# Altium PCB 10515.0462_全联供主板_V1.0.PcbDoc (part 4 of 5)
Units mm, origin at the board's own origin, x right, y up, seen from the top; angles counter-clockwise.
Board outline 141 x 198 mm, 2 copper layers (Top Layer, Bottom Layer); 179 components, 149 nets, 591 pads, 450 vias.
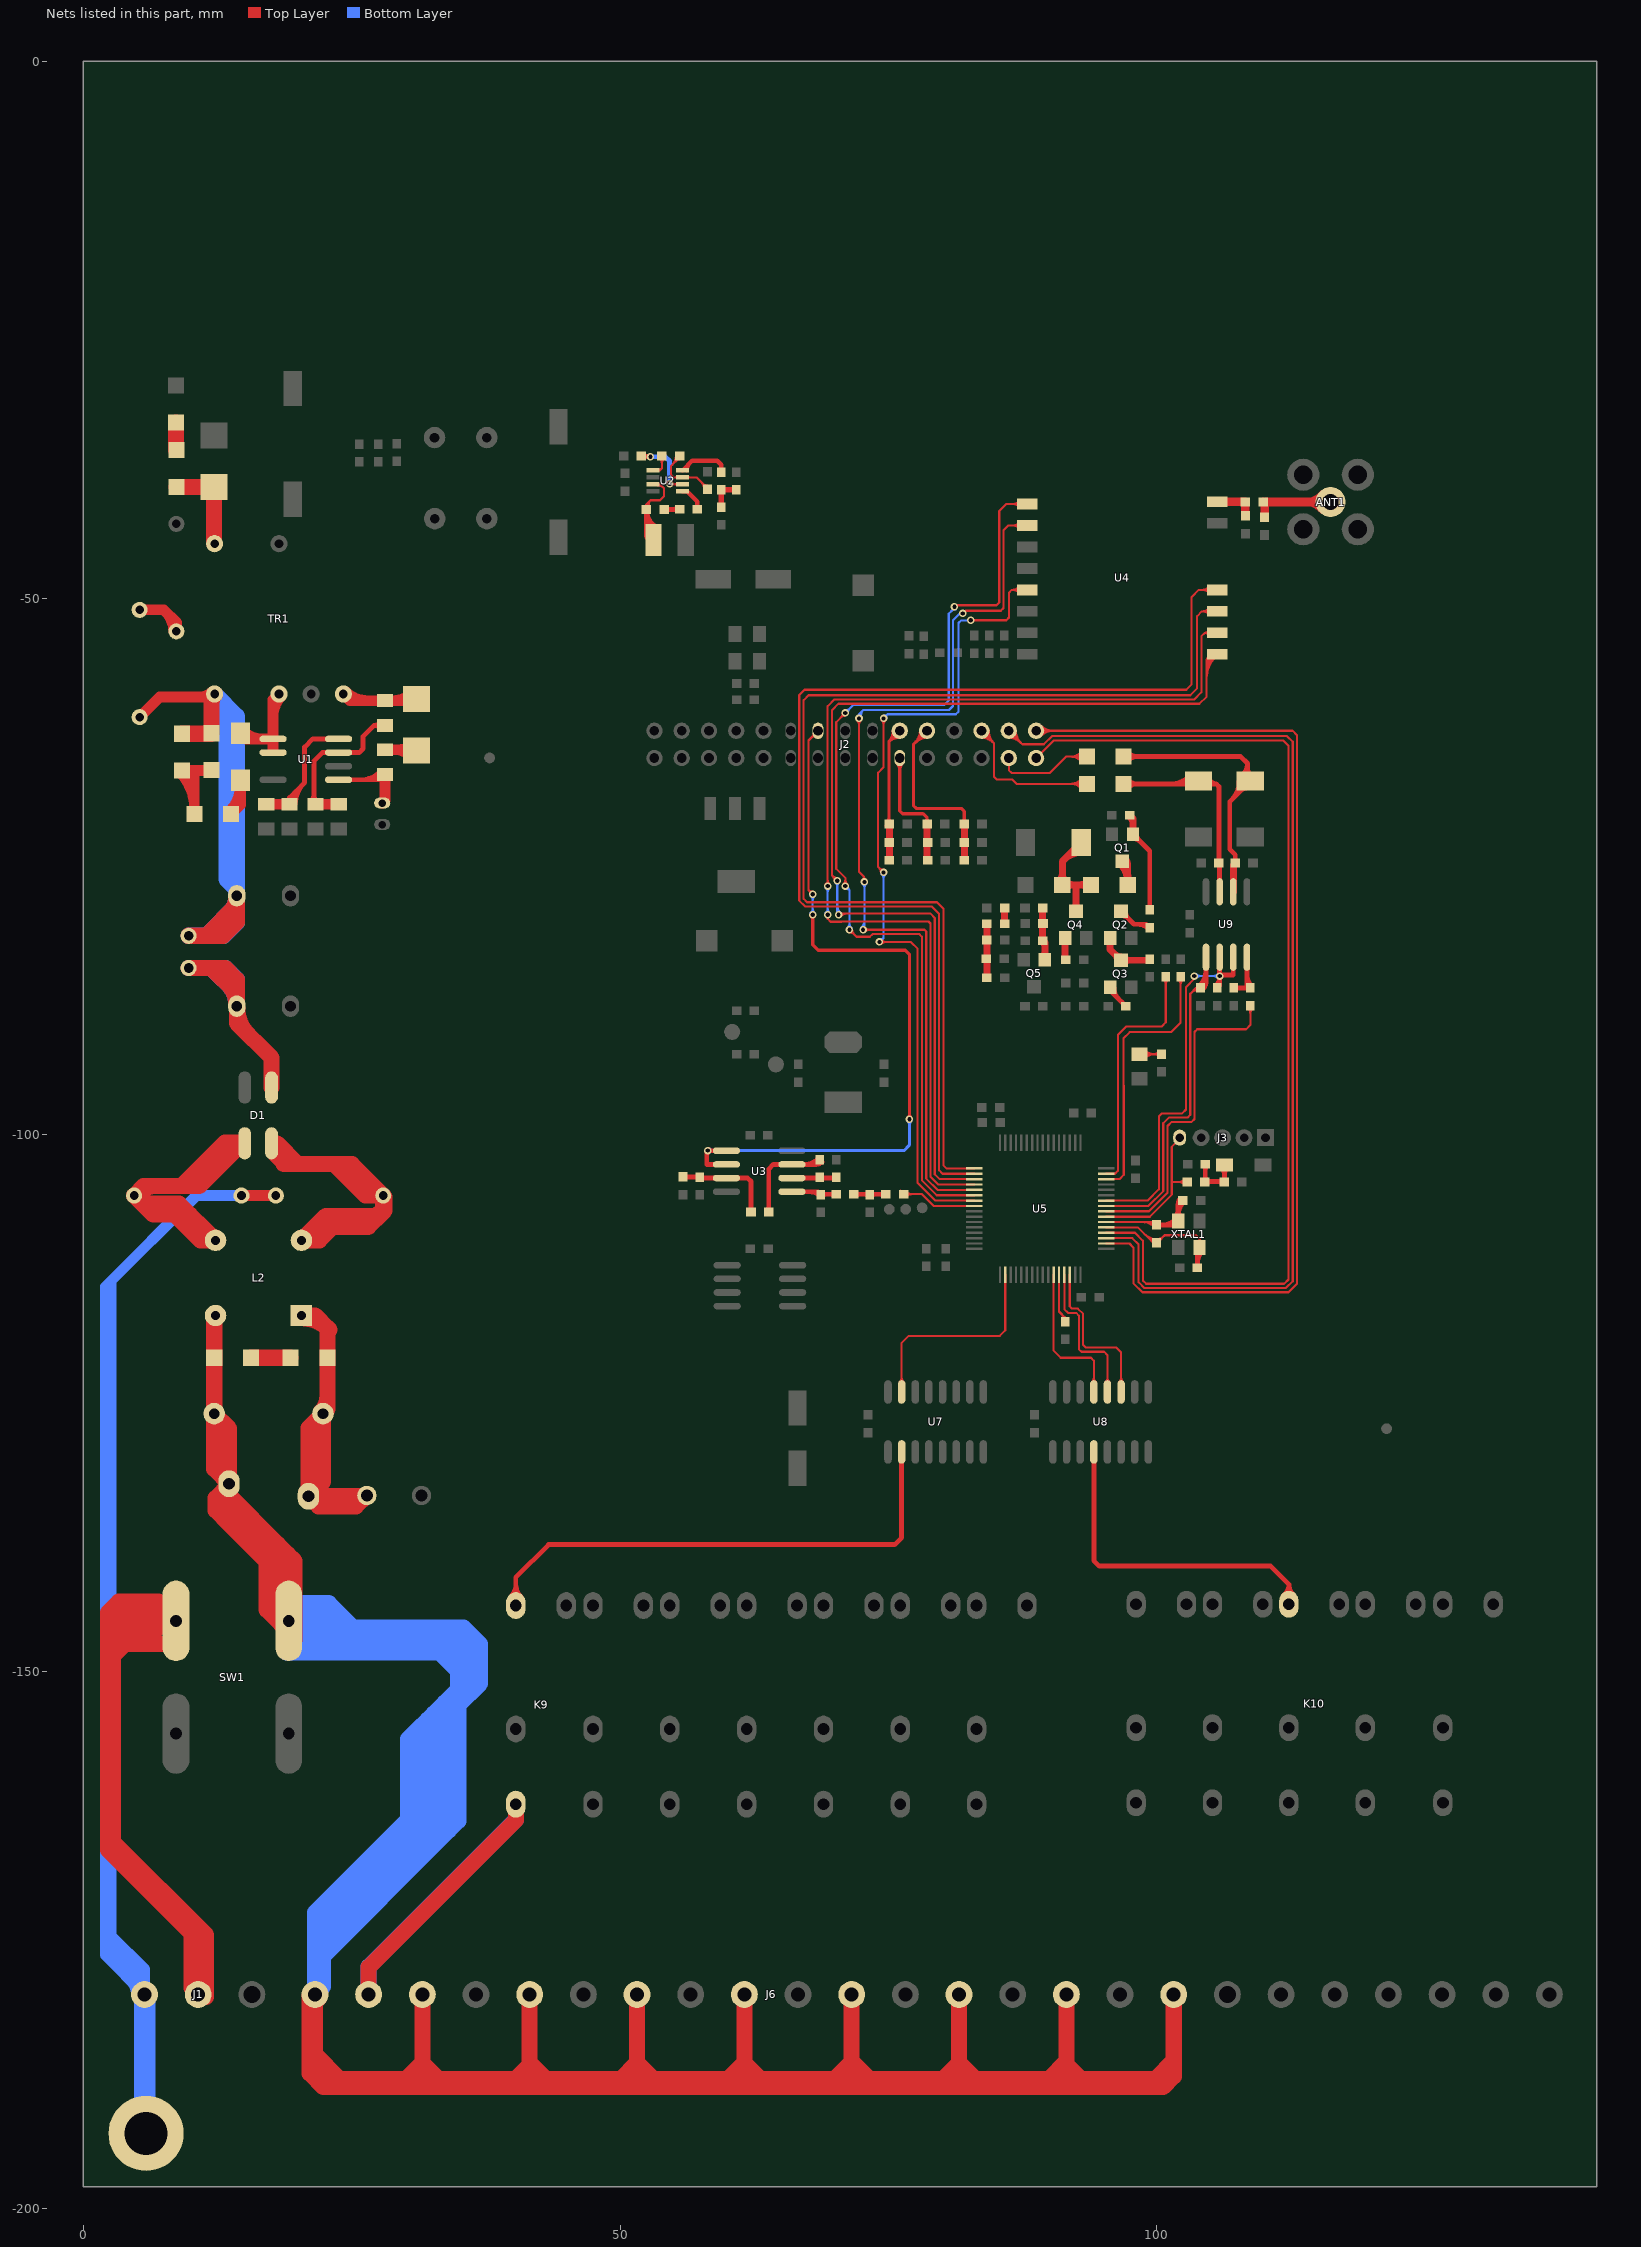
[diagram p4: the nets of this part, all layers, seen from the top]

## Via types
v1: diameter 0.7, hole 0.4, Top Layer to Bottom Layer, tented both sides, 450 vias

## Nets (pads, with @x,y where several pads share a name; then routed paths per layer and width w, separated by ;. In a path a pad name is that pad's centre, name@x,y a point inside that pad or via, vN(x,y) a via of type N, cw(c..) or ccw(c..) an arc to the next point about the centre after c; other vN are vias at no path point) (continued)
N_NINE: CX1.2 J6.2 J6.4 J6.6 J6.8 J6.10 J6.12 J6.14 J6.16 J6.18 L2.4 R2.1 RY1.1 SW1.2 | length 643
  Top Layer w1.5: L2.4@12.192,-116.968 R2.1@12.192,-120.777 CX1.2@12.192,-125.984 ; 12.718,-131.659 ccw(c13.572,-130.805) RY1.1@13.572,-132.012 ; 18.12,-140.802 13.572,-136.254 ; 18.12,-139.659 17.081,-138.62 ; SW1.2@18.394,-145.563 17.081,-144.25 17.081,-141.351 ; 21.082,-182.511 cw(c23.996,-182.511) J6.18@21.935,-180.451 ; 21.582,-187.929 21.582,-186.563 ; 29.591,-188.427 30.046,-187.971 ; 31.582,-187.769 31.582,-186.436 ; J6.16@31.582,-180.097 31.582,-186.436 ; 41.582,-187.698 41.582,-186.649 ; J6.14@41.582,-180.097 41.582,-186.436 ; 51.582,-187.731 51.582,-186.436 ; J6.12@51.582,-180.097 51.582,-186.436 ; 53.721,-188.575 53.117,-187.971 ; 61.582,-187.891 61.582,-186.436 ; J6.10@61.582,-180.097 61.582,-186.436 ; 71.582,-187.891 71.582,-186.367 ; J6.8@71.582,-180.097 71.582,-186.309 ; 79.375,-188.643 80.046,-187.971 ; 81.582,-187.957 81.582,-186.436 ; J6.6@81.582,-180.097 81.582,-186.436 ; 83.693,-188.547 83.117,-187.971 ; 91.582,-187.825 91.582,-186.578 ; J6.4@91.582,-180.097 91.582,-186.309 ; J6.2@101.582,-180.097 101.582,-186.245 ; CX1.2@12.192,-125.984 13.572,-127.364 RY1.1@13.572,-132.512 ; CX1.2@12.192,-125.984 12.192,-131.133 RY1.1@13.572,-132.512 ; 13.572,-136.254 13.572,-135.111 ; 13.572,-136.254 12.319,-135.001 12.319,-133.858 13.572,-132.605 RY1.1@13.572,-132.512 ; 13.572,-135.111 RY1.1@13.572,-132.512 ; 13.572,-135.111 17.081,-138.62 ; RY1.1@13.572,-132.512 13.572,-133.587 18.12,-138.135 ; 17.081,-141.351 17.081,-138.62 ; 17.081,-141.351 17.081,-142.558 SW1.2@18.12,-143.596 ; SW1.2@18.12,-145.288 SW1.2@18.12,-143.596 ; SW1.2@18.12,-145.288 18.12,-138.135 ; SW1.2@18.12,-145.288 19.685,-143.723 SW1.2@19.685,-142.748 ; SW1.2@18.12,-145.288 19.558,-146.726 19.558,-147.193 19.685,-147.066 SW1.2@19.685,-142.748 ; SW1.2@18.12,-143.596 19.05,-142.666 19.05,-139.065 ; 18.12,-138.135 19.05,-139.065 ; 19.05,-139.065 19.685,-139.7 SW1.2@19.685,-142.748 ; 21.582,-186.563 21.582,-185.674 ; 21.582,-186.563 23.741,-188.722 ; 21.582,-185.674 23.879,-187.971 30.046,-187.971 ; 21.582,-185.674 J6.18@21.582,-180.097 21.582,-179.713 21.082,-180.213 21.082,-187.452 22.352,-188.722 23.741,-188.722 ; 23.741,-188.722 33.868,-188.722 ; 30.046,-187.971 33.117,-187.971 ; 30.046,-187.971 31.582,-186.436 ; 31.582,-186.436 33.117,-187.971 ; 33.117,-187.971 33.868,-188.722 ; 33.117,-187.971 40.259,-187.971 ; 33.868,-188.722 49.296,-188.722 ; 40.259,-187.971 43.117,-187.971 ; 40.259,-187.971 41.582,-186.649 ; 41.582,-186.649 41.582,-186.436 ; 41.582,-186.436 43.117,-187.971 ; 43.117,-187.971 50.046,-187.971 ; 49.296,-188.722 50.046,-187.971 ; 49.296,-188.722 89.169,-188.722 ; 50.046,-187.971 51.582,-186.436 ; 50.046,-187.971 53.117,-187.971 ; 51.582,-186.436 53.117,-187.971 ; 53.117,-187.971 60.046,-187.971 ; 60.046,-187.971 61.582,-186.436 ; 60.046,-187.971 63.117,-187.971 ; 61.582,-186.436 63.117,-187.971 ; 63.117,-187.971 69.977,-187.971 ; 69.977,-187.971 71.582,-186.367 ; 69.977,-187.971 73.244,-187.971 ; 71.582,-186.367 71.582,-186.309 ; 71.582,-186.309 73.244,-187.971 ; 73.244,-187.971 80.046,-187.971 ; 80.046,-187.971 81.582,-186.436 ; 80.046,-187.971 83.117,-187.971 ; 81.582,-186.436 83.117,-187.971 ; 83.117,-187.971 89.919,-187.971 ; 89.169,-188.722 89.919,-187.971 ; 89.169,-188.722 93.726,-188.722 ; 89.919,-187.971 91.582,-186.309 ; 89.919,-187.971 92.975,-187.971 ; 91.582,-186.578 92.975,-187.971 ; 91.582,-186.578 91.582,-186.309 ; 92.975,-187.971 93.726,-188.722 ; 92.975,-187.971 99.856,-187.971 101.582,-186.245 ; 93.726,-188.722 100.584,-188.722 101.582,-187.724 101.582,-186.245
  Bottom Layer w1.5: SW1.2@18.755,-145.288 20.533,-147.066 ; SW1.2@18.796,-143.637 22.86,-143.637 24.003,-144.78 ; SW1.2@18.882,-145.288 SW1.2@19.898,-146.304 ; SW1.2@18.882,-145.034 23.368,-145.034 ; SW1.2@18.923,-148.209 24.511,-148.209 ; SW1.2@19.136,-146.304 22.606,-146.304 ; SW1.2@19.898,-147.066 32.004,-147.066 ; 22.326,-176.523 22.326,-179.353 J6.18@21.582,-180.097 ; 22.86,-145.034 24.003,-146.177 ; 23.097,-175.751 23.097,-173.973 ; 25.146,-173.703 21.582,-177.267 ; 30.273,-166.798 30.273,-156.29 31.178,-155.385 ; 31.178,-164.338 32.067,-163.449 ; 31.606,-165.464 31.178,-165.036 31.178,-155.385 ; 32.004,-147.701 32.004,-147.066 ; 33.147,-148.209 30.226,-148.209 24.003,-148.209 ; 34.058,-163.322 33.749,-163.322 ; 34.058,-161.395 21.582,-173.871 ; 34.861,-149.923 32.004,-147.066 ; J6.18@21.582,-180.097 21.582,-177.267 ; J6.18@21.582,-180.097 21.582,-175.489 ; 21.582,-177.267 34.058,-164.791 34.925,-163.924 34.925,-153.162 ; 21.582,-175.489 23.097,-173.973 ; 21.582,-175.489 21.582,-173.871 ; 21.582,-173.871 21.582,-172.474 30.607,-163.449 32.067,-163.449 ; 22.606,-146.304 24.003,-147.701 24.003,-148.209 ; 22.606,-146.304 31.242,-146.304 32.004,-147.066 ; 23.097,-173.973 33.749,-163.322 ; 24.003,-148.209 24.003,-146.177 ; 24.003,-146.177 24.003,-144.78 ; 24.003,-144.78 25.146,-145.923 32.258,-145.923 ; 31.178,-155.385 32.067,-154.495 ; 32.067,-163.449 32.639,-162.877 32.639,-153.924 ; 32.067,-163.449 32.067,-154.495 ; 32.067,-154.495 32.639,-153.924 ; 32.258,-145.923 33.655,-145.923 ; 32.258,-145.923 34.925,-148.59 34.925,-153.162 ; 32.639,-153.924 33.655,-152.908 ; 33.655,-152.908 33.655,-163.228 33.749,-163.322 ; 33.655,-152.908 34.925,-151.638 35.074,-151.489 35.074,-147.342 ; 33.655,-145.923 35.433,-145.923 36.957,-147.447 36.957,-151.13 34.925,-153.162 ; 33.655,-145.923 35.074,-147.342 ; 34.925,-153.162 34.925,-152.019 36.195,-150.749 36.195,-148.463 35.074,-147.342
NetANT1_5: ANT1.5 C18.2 R28.2 | length 21.8
  Top Layer w0.2: R28.2@110.034,-40.94 110.175,-41.08 R28.2@110.2,-41.055
  Top Layer w0.45: R28.2@110.034,-40.889 110.2,-41.055 ANT1.5@116.194,-41.055 ; R28.2@110.303,-41.17 cw(c110.582,-41.449) 110.582,-41.055 ; R28.2@110.303,-40.914 ccw(c110.643,-40.574) 110.643,-41.055 ; ANT1.5@115.363,-41.886 ccw(c113.357,-43.892) 113.357,-41.055 ccw(c113.357,-38.218) ANT1.5@115.363,-40.224 ; ANT1.5@115.681,-41.568 ccw(c114.443,-42.805) 114.443,-41.055 ccw(c114.443,-39.305) ANT1.5@115.681,-40.542
  Top Layer w0.8: R28.2@109.907,-41.055 110.048,-41.195 C18.2@110.048,-42.477 ; R28.2@110.2,-41.055 ANT1.5@116.194,-41.055
NetC1_1: C1.1 R1.2 | length 2.6
  Top Layer w1.5: R1.2@8.644,-36.201 C1.1@8.644,-33.641
NetC2_1: C2.1 R3.1 R6.2 | length 10.3
  Top Layer w1: R3.1@9.001,-66.248 cw(c5.768,-69.481) R6.2@10.34,-69.481 ; R3.1@9.178,-66.071 C2.1@11.901,-66.071 ; R6.2@10.34,-70.115 10.34,-66.091
NetC2_2: C2.2 CY1.1 EC2.1 L1.2 R3.2 TR1.1 | length 86.1
  Top Layer w1: CY1.1@5.241,-61.098 7.12,-59.219 TR1.1@11.946,-59.219 ; 10.827,-59.219 ccw(c10.827,-57.541) TR1.1@12.014,-58.727
  Top Layer w1.5: R3.2@9.178,-62.642 C2.2@11.901,-62.642 ; L1.2@9.813,-81.466 13.022,-81.466 14.298,-80.19 EC2.1@14.298,-77.735 14.298,-78.599 11.43,-81.466 ; C2.2@11.946,-62.597 11.946,-59.219 TR1.1@12.226,-58.939 ; 11.946,-59.735 cw(c13.021,-59.735) TR1.1@12.261,-58.975 ; 13.744,-79.153 ccw(c12.526,-77.935) EC2.1@14.248,-77.935
  Bottom Layer w1.5: L1.2@9.813,-81.466 11.43,-81.466 ; 13.335,-62.357 12.226,-61.248 TR1.1@12.226,-58.939 14.298,-61.011 14.298,-72.644 EC2.1@14.298,-77.735 ; 13.335,-60.049 13.335,-76.2 14.298,-77.163 EC2.1@14.298,-77.735 ; 13.744,-79.153 ccw(c12.526,-77.935) EC2.1@14.248,-77.935 ; 13.949,-76.814 cw(c13.228,-77.535) EC2.1@14.248,-77.535 ; 11.43,-81.466 13.067,-81.466 14.298,-80.235 EC2.1@14.298,-77.735 ; 11.43,-81.466 14.298,-78.599 EC2.1@14.298,-77.735
NetC5_1: C5.1 R13.1 | length 2.5
  Top Layer w0.45: C5.1@54.113,-41.745 R13.1@55.521,-41.745 ; C5.1@54.28,-41.873 cw(c54.589,-42.183) 54.589,-41.745 cw(c54.589,-41.307) C5.1@54.28,-41.617 ; 55.007,-41.745 ccw(c55.007,-41.215) R13.1@55.382,-41.59
NetC5_2: C5.2 L3.1 U2.3 | length 17.3
  Top Layer w0.2: C5.2@52.333,-41.468 ccw(c52.237,-41.264) 52.462,-41.264 ; C5.2@52.422,-41.796 cw(c52.793,-41.557) 52.481,-41.245 ; C5.2@52.462,-41.745 52.462,-41.264 ; C5.2@52.59,-41.688 cw(c53.007,-41.42) 52.656,-41.07 ; C5.2@52.592,-41.468 cw(c52.687,-41.264) 52.462,-41.264 ; C5.2@52.758,-41.58 cw(c53.221,-41.283) 52.832,-40.894 ; U2.3@53.079,-39.405 53.726,-39.405 54.102,-39.781 54.102,-40.513 53.721,-40.894 52.832,-40.894 ; U2.3@53.479,-39.505 cw(c53.479,-40.343) 54.071,-39.751 ; U2.3@53.479,-39.305 cw(c53.479,-39.66) 53.73,-39.409 ; U2.3@53.531,-39.491 cw(c53.666,-39.712) 53.85,-39.529 ; U2.3@53.55,-39.476 cw(c53.72,-39.647) 53.72,-39.405 cw(c53.72,-39.164) U2.3@53.55,-39.335 ; 52.462,-41.264 52.832,-40.894
  Top Layer w0.45: C5.2@52.334,-41.873 cw(c52.024,-42.183) 52.462,-42.183 cw(c52.9,-42.183) C5.2@52.591,-41.873 ; L3.1@52.462,-44.135 ccw(c52.941,-44.135) L3.1@52.694,-44.545 ; L3.1@52.462,-43.338 ccw(c53.421,-43.338) L3.1@52.926,-44.16 ; 52.462,-42.542 ccw(c53.901,-42.542) L3.1@53.159,-43.774 ; L3.1@53.12,-44.588 52.462,-43.931 C5.2@52.462,-41.745 ccw(c54.381,-41.745) L3.1@53.391,-43.389
NetC8_1: C8.1 R17.1 U2.7 | length 9.6
  Top Layer w0.2: 54.86,-37.596 ccw(c54.028,-36.765) R17.1@55.204,-36.765 ; 55.201,-37.255 ccw(c54.711,-36.765) R17.1@55.404,-36.765 ; R17.1@55.295,-37.161 cw(c55.51,-37.376) R17.1@55.51,-37.072 ; U2.7@55.354,-38.826 ccw(c55.183,-38.997) 55.183,-38.755 ccw(c55.183,-38.514) U2.7@55.354,-38.685 ; R17.1@55.548,-36.765 55.548,-36.908 54.737,-37.719 54.737,-38.481 55.011,-38.755 U2.7@55.825,-38.755 57.124,-38.755 C8.1@58.14,-39.771 ; U2.7@56.296,-38.826 cw(c56.466,-38.997) 56.466,-38.755 cw(c56.466,-38.514) U2.7@56.296,-38.685 ; 57.594,-39.225 cw(c56.988,-39.831) C8.1@57.845,-39.831 ; 57.712,-39.343 ccw(c58.152,-38.903) C8.1@58.152,-39.525
NetC9_2: C9.2 R22.2 U3.5 | length 6.6
  Top Layer w0.45: U3.5@66.011,-105.306 68.474,-105.306 68.716,-105.548 R22.2@70.138,-105.548 ; 67.697,-105.306 cw(c67.697,-106.529) C9.2@68.563,-105.664 ; C9.2@68.819,-105.664 cw(c69.098,-105.943) 69.098,-105.548 ; C9.2@68.819,-105.407 ccw(c69.159,-105.067) 69.159,-105.548 ; R22.2@69.972,-105.677 ccw(c69.662,-105.986) 69.662,-105.548 ccw(c69.662,-105.11) R22.2@69.972,-105.42
NetC10_2: C10.2 R21.1 R23.1 U3.3 | length 11.9
  Top Layer w0.2: R23.1@57.407,-103.961 R23.1@57.438,-103.961 R23.1@57.513,-104.036
  Top Layer w0.45: C10.2@55.864,-103.93 R23.1@57.407,-103.93 ; C10.2@55.992,-104.058 cw(c56.302,-104.368) 56.302,-103.93 cw(c56.302,-103.492) C10.2@55.992,-103.802 ; 56.983,-103.93 ccw(c56.983,-103.468) R23.1@57.31,-103.795 ; 57.017,-103.93 cw(c57.017,-104.344) R23.1@57.31,-104.051 ; R23.1@57.513,-104.036 U3.3@59.915,-104.036 61.894,-104.036 62.2,-104.342 R21.1@62.2,-107.199 ; R23.1@57.566,-103.871 ccw(c57.964,-103.473) 57.964,-104.036 ; R21.1@62.072,-107.071 ccw(c61.762,-106.761) 62.2,-106.761 ccw(c62.638,-106.761) R21.1@62.329,-107.071
NetC11_2: C11.2 R25.1 R26.2 R27.2 | length 9
  Top Layer w0.2: C11.2@83.945,-83.383 ccw(c83.399,-82.837) 84.171,-82.837 ; R27.2@83.955,-82.073 cw(c83.432,-82.596) 84.171,-82.596 cw(c84.911,-82.596) R27.2@84.388,-82.073 ; C11.2@84.171,-83.552 R27.2@84.171,-81.856 ; 84.171,-82.883 ccw(c84.879,-82.883) C11.2@84.379,-83.383
  Top Layer w0.45: R26.2@84.124,-85.322 R26.2@84.171,-85.275
  Top Layer w0.65: R26.2@84.171,-85.275 R27.2@84.171,-81.856 R25.1@84.171,-80.332
NetC24_2: C24.2 D5.2 R30.1 R31.2 | length 13.8
  Top Layer w0.2: R31.2@104.522,-104.367 R31.2@104.484,-104.405 R30.1@106.269,-104.405 ; C24.2@104.522,-102.761 C24.2@104.522,-102.634 ; R31.2@104.739,-104.622 cw(c105.262,-105.145) 105.262,-104.405 cw(c105.262,-103.666) R31.2@104.739,-104.189 ; R30.1@106.015,-104.622 ccw(c105.492,-105.145) 105.492,-104.405 ccw(c105.492,-103.666) R30.1@106.015,-104.189 ; D5.2@106.304,-102.87 D5.2@106.304,-102.811 D5.2@106.304,-102.684
  Top Layer w0.45: R31.2@104.394,-104.277 ccw(c104.085,-103.967) 104.522,-103.967 ccw(c104.96,-103.967) R31.2@104.651,-104.277 ; C24.2@104.394,-102.89 cw(c104.085,-103.199) 104.522,-103.199 cw(c104.96,-103.199) C24.2@104.651,-102.89 ; C24.2@104.522,-102.761 104.522,-104.367 106.3,-104.367 R30.1@106.304,-104.371 ; R31.2@104.651,-104.534 cw(c105.052,-104.935) 105.052,-104.367 ; 105.701,-104.367 cw(c105.701,-104.935) R30.1@106.103,-104.534 ; D5.2@106.039,-103.077 cw(c105.399,-103.717) 106.304,-103.717 cw(c107.209,-103.717) D5.2@106.569,-103.077 ; R30.1@106.179,-104.277 ccw(c105.878,-103.976) 106.304,-103.976 ; R30.1@106.269,-104.405 R30.1@106.304,-104.371 ; 106.304,-103.959 ccw(c106.754,-103.959) R30.1@106.436,-104.277 ; D5.2@106.304,-102.87 R30.1@106.304,-104.371
NetC34_2: C34.2 Q5.1 R51.1 R52.1 | length 6.7
  Top Layer w0.2: R51.1@89.378,-78.878 R51.1@89.403,-78.903 ; Q5.1@89.4,-83.536 Q5.1@89.569,-83.704 ; C34.2@89.4,-81.916 C34.2@89.403,-81.914
  Top Layer w0.45: C34.2@89.378,-81.894 C34.2@89.4,-81.916
  Top Layer w0.65: R51.1@89.378,-78.878 89.378,-81.894 89.569,-82.085 Q5.1@89.569,-83.704 ; C34.2@89.381,-81.974 cw(c88.928,-82.428) 89.569,-82.428 ; Q5.1@89.395,-83.467 ccw(c88.974,-83.046) 89.569,-83.046 ccw(c90.164,-83.046) Q5.1@89.743,-83.467
NetC49_2: C49.2 R22.1 R69.2 | length 5.7
  Top Layer w0.2: C49.2@73.237,-105.548 C49.2@73.263,-105.574 ; R69.2@74.723,-105.574 R69.2@74.748,-105.574
  Top Layer w0.45: R22.1@71.789,-105.548 R69.2@74.723,-105.548 ; R22.1@71.955,-105.677 cw(c72.265,-105.986) 72.265,-105.548 cw(c72.265,-105.11) R22.1@71.955,-105.42 ; 72.794,-105.548 ccw(c72.794,-105.067) C49.2@73.135,-105.407 ; 72.856,-105.548 cw(c72.856,-105.943) C49.2@73.135,-105.664 ; C49.2@73.391,-105.664 cw(c73.67,-105.943) 73.67,-105.548 ; C49.2@73.391,-105.407 ccw(c73.731,-105.067) 73.731,-105.548 ; R69.2@74.607,-105.677 ccw(c74.297,-105.986) 74.297,-105.548 ccw(c74.297,-105.11) R69.2@74.607,-105.42
NetCX1_1: CX1.1 L2.1 R4.2 RF1.1 RY1.2 | length 50.7
  Top Layer w1.5: L2.1@20.32,-117.09 cw(c20.32,-120.76) 22.915,-118.165 ; L2.1@20.32,-116.84 21.59,-116.84 22.733,-117.983 R4.2@22.733,-120.777 22.733,-125.578 20.973,-127.338 RY1.2@20.973,-133.679 ; L2.1@20.406,-117.075 cw(c21.002,-118.697) 22.225,-117.475 ; RY1.2@20.796,-133.253 ccw(c17.1,-129.557) 22.327,-129.557 ; RY1.2@20.973,-133.179 ccw(c20.973,-131.972) 21.826,-132.826 ; CX1.1@22.147,-125.805 ccw(c20.734,-124.391) 22.733,-124.391 ; CX1.1@22.327,-125.984 22.327,-132.325 RY1.2@20.973,-133.679 ; RF1.1@26.416,-133.604 RF1.1@26.341,-133.679 ; RY1.2@20.973,-133.679 RF1.1@26.341,-133.679 ; RY1.2@20.973,-133.679 21.913,-134.62 25.4,-134.62 RF1.1@26.341,-133.679
NetCY1_2: CY1.2 CY2.1 | length 6.8
  Top Layer w1: CY1.2@5.241,-51.098 7.493,-51.098 8.67,-52.275 CY2.1@8.67,-53.097 ; 7.662,-51.267 cw(c5.832,-53.097) CY2.1@8.42,-53.097
NetCY3_2: CY3.2 D1.1 L2.3 | length 46.7
  Top Layer w1.5: 6.572,-106.426 cw(c6.572,-103.824) CY3.2@4.732,-105.664 ; 6.878,-104.775 ccw(c6.878,-107.81) CY3.2@4.732,-105.664 ; 9.271,-104.648 13.208,-100.711 14.605,-100.711 14.605,-100.965 10.795,-104.775 5.621,-104.775 CY3.2@4.732,-105.664 ; 9.481,-108.414 ccw(c12.32,-105.575) L2.3@12.32,-109.59 ; 9.922,-107.442 8.509,-107.442 ; CY3.2@4.732,-105.664 6.51,-107.442 8.509,-107.442 ; CY3.2@4.732,-105.664 5.494,-106.426 8.906,-106.426 L2.3@12.32,-109.84 10.907,-109.84 8.509,-107.442
NetCY4_1: CY4.1 D1.2 L2.2 | length 49
  Top Layer w1.5: D1.2@17.907,-101.854 18.796,-102.743 ; D1.2@17.919,-101.55 cw(c17.919,-103.361) 19.199,-102.081 ; D1.2@18.046,-100.8 19.988,-102.743 ; 18.669,-102.743 19.734,-102.743 ; 19.48,-102.743 22.225,-102.743 ; L2.2@20.349,-109.592 ccw(c20.754,-106.098) 23.241,-108.585 ; 27.305,-107.823 ccw(c25.644,-106.161) CY4.1@27.94,-105.664 ; 22.225,-102.743 23.368,-102.743 26.289,-105.664 CY4.1@27.94,-105.664 ; 22.225,-102.743 25.019,-102.743 CY4.1@27.94,-105.664 ; CY4.1@27.94,-105.664 28.067,-105.791 28.067,-107.061 26.543,-108.585 23.241,-108.585 21.986,-109.84 L2.2@20.32,-109.84 22.591,-107.569 27.305,-107.569 27.94,-106.934 CY4.1@27.94,-105.664
NetD1_3: D1.3 EC1.1 L1.1 | length 39.1
  Top Layer w1.5: L1.1@9.813,-84.466 11.938,-84.466 ; 13.508,-86.037 cw(c11.722,-87.822) EC1.1@14.248,-87.822 ; EC1.1@14.298,-87.122 14.298,-86.826 11.938,-84.466 ; EC1.1@14.348,-88.222 ccw(c17.816,-88.222) 15.364,-90.675 ; D1.3@17.538,-95.6 17.538,-92.849 14.298,-89.609 EC1.1@14.298,-88.022 14.298,-85.545 13.219,-84.466 11.938,-84.466
  Bottom Layer w1.5: L1.1@9.813,-84.466 11.938,-84.466 ; 13.508,-86.037 cw(c11.722,-87.822) EC1.1@14.248,-87.822 ; 13.715,-86.243 cw(c12.387,-87.57) EC1.1@14.248,-87.816 ; EC1.1@14.298,-88.022 14.298,-85.522 13.242,-84.466 11.938,-84.466 ; 14.298,-86.741 14.213,-86.741 11.938,-84.466
NetD2_2: D2.2 R1.1 TR1.10 | length 8.7
  Top Layer w1.5: R1.1@8.67,-39.655 D2.2@12.169,-39.655 ; TR1.10@12.175,-44.889 D2.2@12.175,-39.661
NetD3_1: D3.1 R6.1 | length 7.8
  Top Layer w1: R6.1@13.593,-69.939 ccw(c11.067,-67.413) D3.1@14.639,-67.413 ; R6.1@13.769,-70.115 14.639,-69.246 D3.1@14.639,-66.965 ; D3.1@14.356,-67.348 cw(c13.673,-68.031) 14.639,-68.031 cw(c15.605,-68.031) D3.1@14.922,-67.348
NetD3_2: D3.2 TR1.3 U1.5 U1.6 | length 12.1
  Top Layer w0.45: U1.6@17.68,-64.396 17.68,-64.008
  Top Layer w1: D3.2@14.922,-62.415 ccw(c16.64,-60.697) U1.5@16.64,-63.126 ; D3.2@15.168,-63.126 U1.5@17.68,-63.126 ; 17.68,-64.008 U1.5@17.68,-63.126 ; 17.68,-60.981 cw(c20.268,-60.981) TR1.3@18.438,-59.152 ; TR1.3@18.226,-58.939 17.68,-59.485 U1.5@17.68,-63.126
NetD4_1: D4.1 R7.2 | length 5.2
  Top Layer w1: R7.2@28.101,-64.132 D4.1@30.602,-64.132 ; 29.09,-64.132 cw(c29.09,-66.089) D4.1@30.474,-64.706 ; 29.468,-64.132 ccw(c29.468,-62.709) D4.1@30.474,-63.716
NetD4_2: D4.2 R8.2 TR1.5 | length 34.1
  Top Layer w0.45: TR1.5@23.996,-59.169 ccw(c24.941,-58.225) 24.941,-59.56 ; TR1.5@24.314,-58.851 ccw(c26.027,-57.138) 26.027,-59.56 ; TR1.5@24.632,-58.533 ccw(c27.113,-56.052) 27.113,-59.56 ; 24.847,-59.56 R8.2@28.101,-59.56 D4.2@30.83,-59.56 ; R8.2@27.674,-59.826 ccw(c27.034,-60.466) 27.034,-59.56 ccw(c27.034,-58.655) R8.2@27.674,-59.295 ; R8.2@28.253,-59.56 ccw(c28.253,-56.695) D4.2@30.279,-58.721 ; R8.2@28.528,-59.826 cw(c29.168,-60.466) 29.168,-59.56 cw(c29.168,-58.655) R8.2@28.528,-59.295 ; 28.977,-59.56 cw(c28.977,-61.403) D4.2@30.279,-60.1 ; 29.115,-59.56 cw(c29.115,-61.752) D4.2@30.74,-60.282 ; 29.34,-59.56 ccw(c29.34,-57.781) D4.2@30.598,-59.039 ; 29.668,-59.56 ccw(c29.668,-58.468) D4.2@30.44,-59.241
  Top Layer w1: TR1.5@24.226,-58.939 24.847,-59.56 D4.2@30.83,-59.56 ; TR1.5@24.438,-58.727 ccw(c26.449,-56.716) 26.449,-59.56 ; 28.917,-59.56 ccw(c28.917,-57.359) D4.2@30.474,-58.916 ; 29.641,-59.56 cw(c29.641,-60.739) D4.2@30.474,-59.906
NetD6_2: D6.2 Q4.3 R45.1 R48.2 | length 17.5
  Top Layer w0.65: R48.2@90.9,-76.419 ccw(c90.174,-75.693) 91.2,-75.693 ccw(c92.226,-75.693) 91.501,-76.419 ccw(c92.226,-75.693) 92.226,-76.719 ccw(c92.226,-77.745) R48.2@91.501,-77.02 ; 91.351,-74.384 cw(c92.964,-75.997) D6.2@92.964,-73.716 ; Q4.3@92.255,-78.953 ccw(c91.725,-78.424) 92.474,-78.424 ccw(c93.222,-78.424) Q4.3@92.693,-78.953 ; Q4.3@92.474,-79.172 92.474,-76.862 ; D6.2@92.964,-72.771 91.2,-74.535 R48.2@91.2,-76.719 R45.1@93.867,-76.719 ; R45.1@93.567,-77.02 ccw(c92.841,-77.745) 92.841,-76.719 ccw(c92.841,-75.693) R45.1@93.567,-76.419
NetD9_2: D9.2 R55.2 R56.1 U9.7 | length 26.8
  Top Layer w0.45: R56.1@96.921,-67.31 103.632,-67.31 105.537,-67.31 ; R56.1@97.292,-67.681 cw(c98.188,-68.577) 98.188,-67.31 cw(c98.188,-66.043) R56.1@97.292,-66.939 ; 101.289,-67.31 ccw(c101.289,-64.84) D9.2@103.035,-66.586 ; 102.375,-67.31 ccw(c102.375,-65.926) D9.2@103.354,-66.905 ; 102.515,-67.31 cw(c102.515,-68.046) D9.2@103.035,-67.526 ; D9.2@104.737,-67.526 cw(c105.257,-68.046) 105.257,-67.31 ; D9.2@104.898,-66.848 ccw(c105.537,-66.637) 105.537,-67.31 ; R55.2@105.664,-74.551 ccw(c105.355,-74.242) 105.793,-74.242 ccw(c106.231,-74.242) R55.2@105.921,-74.551 ; R55.2@105.703,-74.808 cw(c105.321,-75.189) 105.86,-75.189 ; R55.2@105.793,-74.68 105.793,-67.566 105.537,-67.31 ; U9.7@105.86,-77.366 R55.2@105.86,-74.747
NetD10_2: D10.2 R58.1 R59.1 U9.6 | length 33.5
  Top Layer w0.45: R58.1@96.921,-64.77 107.823,-64.77 108.458,-65.405 D10.2@108.458,-67.056 ; R58.1@97.292,-65.141 cw(c98.188,-66.037) 98.188,-64.77 cw(c98.188,-63.503) R58.1@97.292,-64.399 ; 106.998,-68.77 ccw(c105.378,-67.151) D10.2@107.667,-67.077 ; R59.1@107.188,-74.551 ccw(c106.879,-74.242) 107.317,-74.242 ccw(c107.755,-74.242) R59.1@107.445,-74.551 ; R59.1@107.317,-74.68 107.317,-73.916 106.807,-73.406 106.807,-68.961 D10.2@108.712,-67.056 ; 107.732,-68.036 ccw(c106.802,-67.105) D10.2@108.117,-67.063 ; D10.2@107.848,-67.92 cw(c108.331,-68.403) D10.2@108.331,-67.72 ; D10.2@107.915,-66.539 ccw(c107.004,-65.405) 108.458,-65.405 ; 108.458,-65.76 ccw(c109.627,-65.76) D10.2@108.801,-66.586